# Altium PCB Spektrop2_PCB_Combined_CMV4000_V2.PcbDoc (part 2 of 6) (continued)
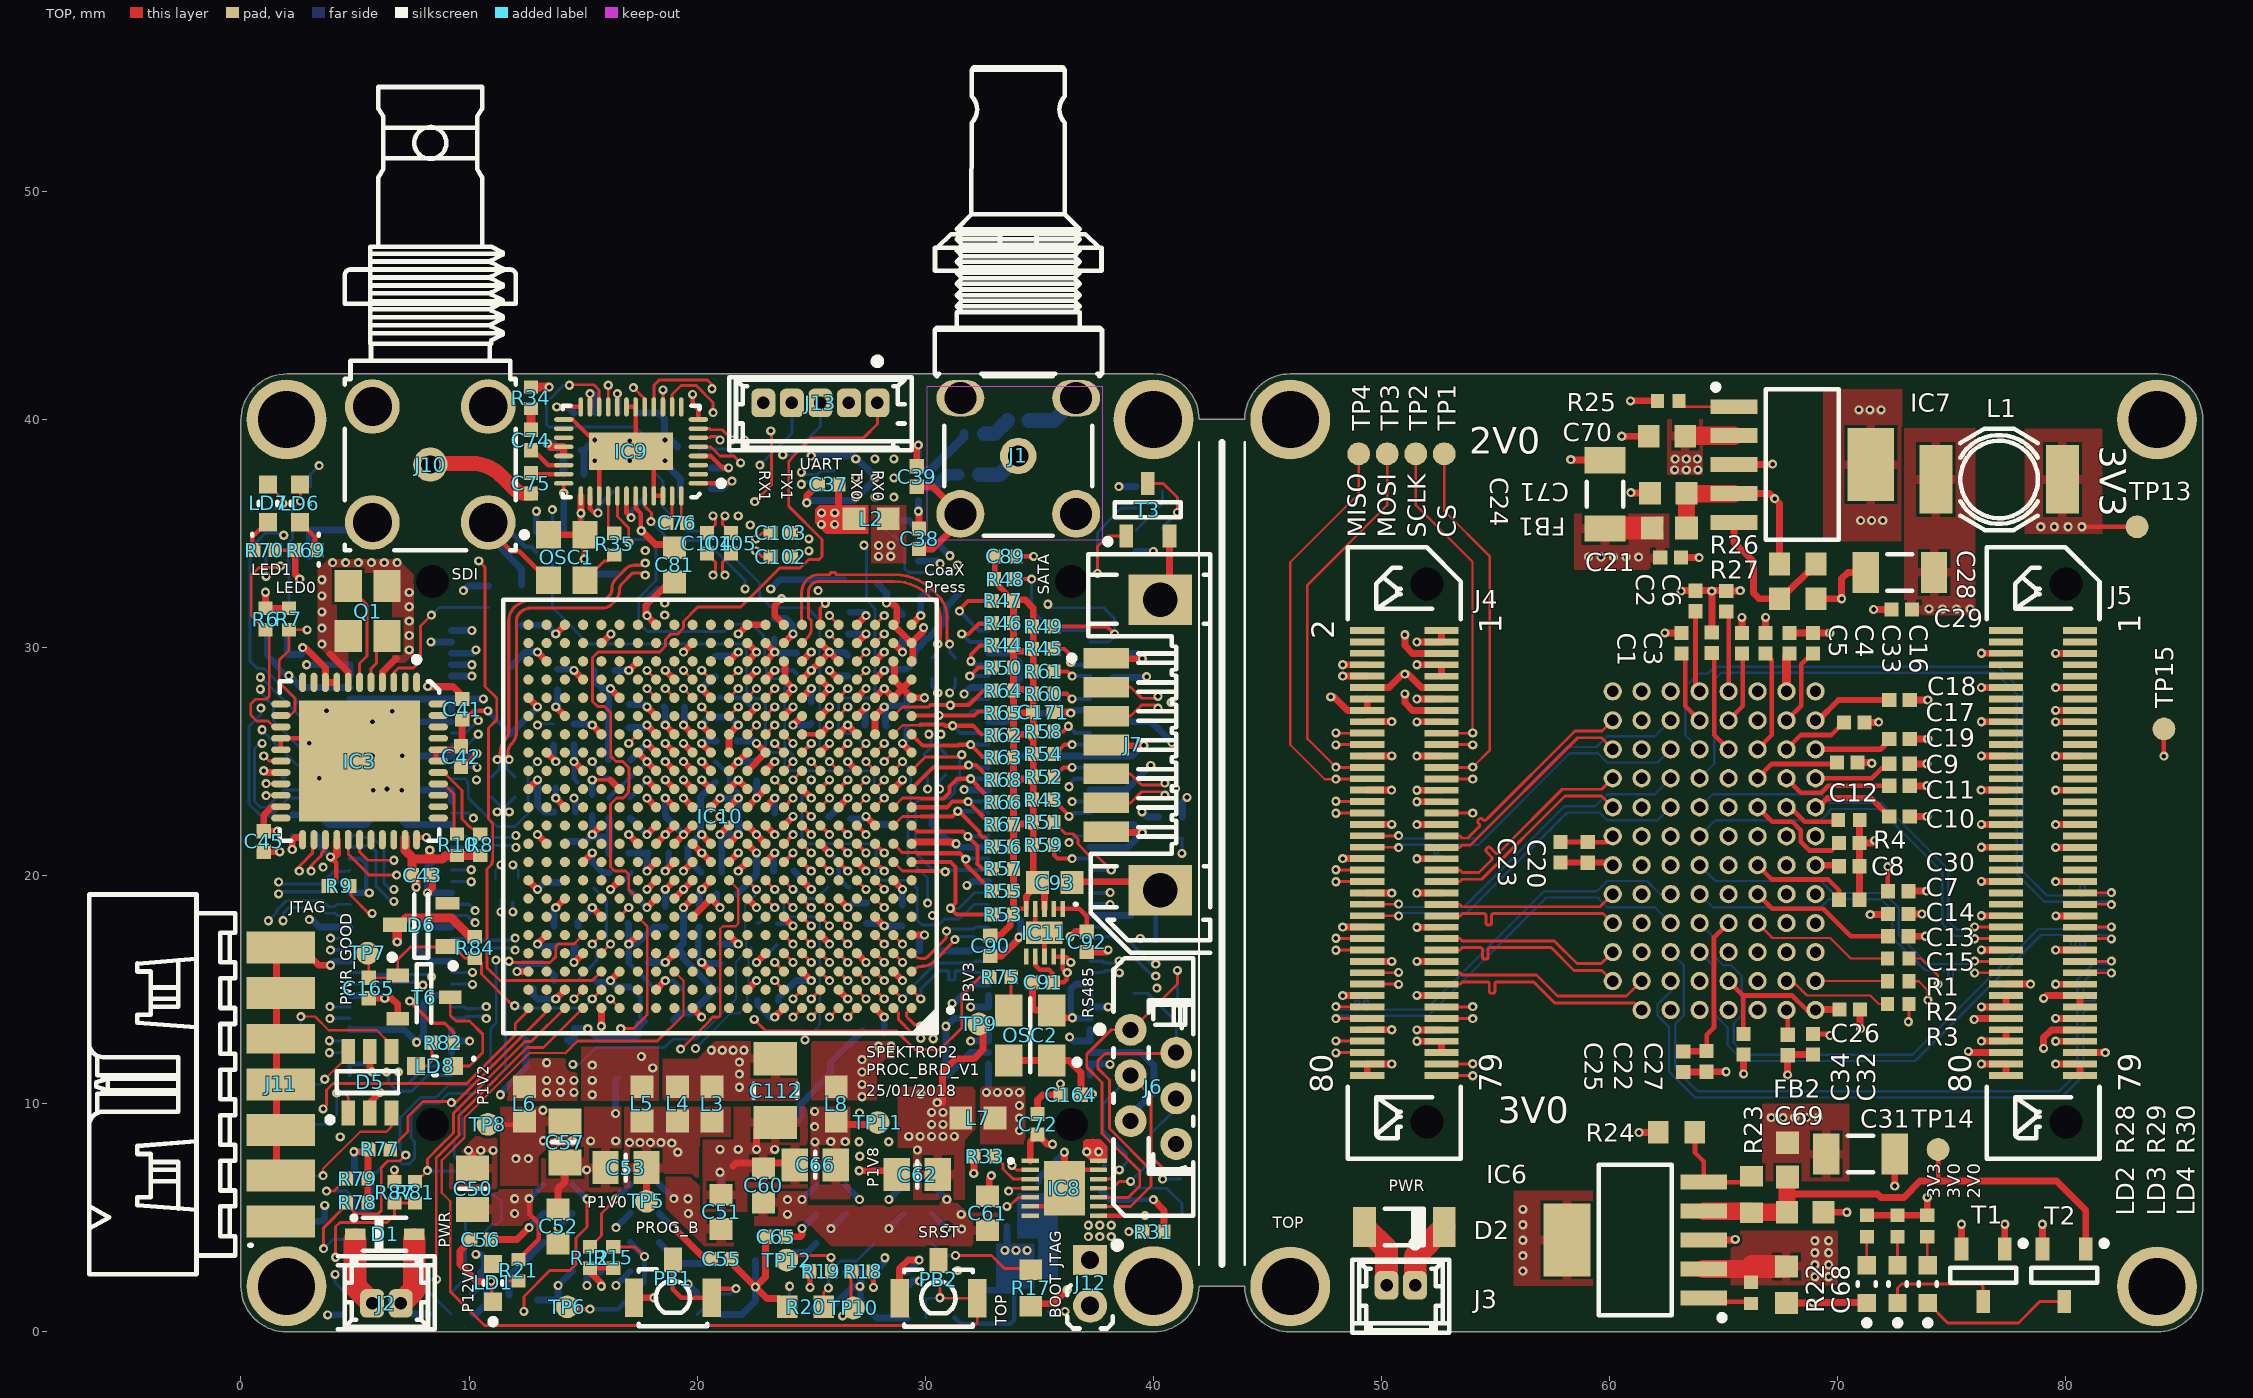
[diagram p0: TOP view]
## Part data (continued)
J4 J5: library part SAMTEC_ERM5-040-05.0-L-DV-K, "Connector 80 Male", Manufacturer=SAMTEC, Manufacturer Part Number=ERM5-040-05.0-L-DV-K, Author="CERN DEM MR", ComponentHeight=8.94mm, Component Type=Standard, CreateDate=24-Feb-16, Family="Header 80", HelpURL=\\cern.ch\dfs\Applications\Altium\Datasheets\SAMTEC_ERM5-040-05.0-L-DV-K.pdf, LatestRevisionDate=24-Feb-16, Mounted=Yes, Part Description="80 Contacts, Pitch 0.5mm, Edge Rate™ Rugged High Speed Straight Header Strip, Lead Style 5.0", Part Number=SAMTEC_ERM5-040-05.0-L-DV-K, Pin Count=80, PressFit=No, Sense=No, SMD=Yes, Socket=No, Status=None
J6: library part MOLEX_52030-0629, "Connector 6 Female", Manufacturer=MOLEX, Manufacturer Part Number=52030-0629, Author="CERN DEM JLC", ComponentHeight=6.7mm, Component Type=Standard, CreateDate=05-Nov-14, Family=FFC/FPC, HelpURL=\\cern.ch\dfs\Applications\Altium\Datasheets\MOLEX_52030-0629.pdf, LatestRevisionDate=05-Dec-14, Mounted=Yes, Part Description="6 Contacts, 1.0mm Pitch, Vertical Through-Hole FFC/FPC Connector", Part Number=MOLEX_52030-0629, Pin Count=6, PressFit=No, Sense=No, SMD=No, Socket=No, Status=None
J7: library part 3M_5607-4200-SH, "7 Pin + 1 Shield SATA Receptacle", Manufacturer=3M, Manufacturer Part Number=5607-4200-SH, Author="CERN DEM JLC", ComponentHeight=4mm, Component Type=Standard, CreateDate=14-Feb-11, Family=SATA, HelpURL=\\cern.ch\dfs\Applications\Altium\Datasheets\3M_5607-4200-SH.pdf, LatestRevisionDate=31-May-11, Mounted=Yes, Part Description="Signal Plug, Surfacemount, Right Angle,  Serial Advanced Technology Attachment (SATA) Connector, 5607 Series", Part Number=3M_5607-4200-SH, Pin Count=8, PressFit=No, Sense=No, SMD=Yes, Socket=No, Status=None
J8 J9: library part SAMTEC_ERF5-040-05.0-L-DV-K, "Connector 80 Female", Manufacturer=SAMTEC, Manufacturer Part Number=ERF5-040-05.0-L-DV-K, Author="CERN DEM MR", ComponentHeight=4.91mm, Component Type=Standard, CreateDate=10-Mar-16, Family="Socket 80", HelpURL=\\cern.ch\dfs\Applications\Altium\Datasheets\SAMTEC_ERF5-040-05.0-L-DV-K.pdf, LatestRevisionDate=10-Mar-16, Mounted=Yes, Part Description="80 Contacts, Pitch 0.5mm, Edge Rate™ Rugged High Speed Straight Socket Strip", Part Number=SAMTEC_ERF5-040-05.0-L-DV-K, Pin Count=80, PressFit=No, Sense=No, SMD=Yes, Socket=No, Status=None
J10: library part AMPHENOL_34-1030-12G, Manufacturer=AMPHENOL-RF, Manufacturer Part Number=34-1030-12G, Author="CERN DEM JLC", ComponentHeight=8.5mm, Component Type=Standard, CreateDate=21-Feb-17, Family=HD-BNC, HelpURL=\\cern.ch\dfs\Applications\Altium\Datasheets\AMPHENOL_34-1030-12G.pdf, LatestRevisionDate=21-Feb-17, Mounted=Yes, Part Description="75 Ohms HD-BNC Right Angle PCB Receptacle (Jack)", Part Number=AMPHENOL_34-1030-12G, Pin Count=2, PressFit=No, Sense=No, SMD=No, Socket=No, Status=None
J11: library part MOLEX_87831-1420_h, "Connector 14 Male", Manufacturer=MOLEX, Manufacturer Part Number=87831-1420, Author="CERN DEM JLC", ComponentHeight=3.15mm, Component Type=Standard, CreateDate=13-Apr-10, Family=Milli-Grid™, HelpURL=\\cern.ch\dfs\Applications\Altium\Datasheets\MOLEX_87831-1420.pdf, LatestRevisionDate=13-Apr-10, Mounted=Yes, Part Description="2.00mm (.079\") Pitch Milli-Grid™ Header, Vertical, Shrouded, Center Polarization Slot, Locking Window, 14 Circuits (Customized PCB Edge assembly)", Part Number=MOLEX_87831-1420_h, Pin Count=14, PressFit=No, Sense=No, SMD=No, Socket=No, Status=None
J12: library part HARWIN_M22-2510205, "Connector 2 Male", Manufacturer=HARWIN, Manufacturer Part Number=M22-2510205, Author="CERN DEM JLC", ComponentHeight=5mm, Component Type=Standard, CreateDate=21-Jan-15, Family="Header 2", HelpURL=\\cern.ch\dfs\Applications\Altium\Datasheets\HARWIN_M22-2510205.pdf, LatestRevisionDate=14-Apr-15, Mounted=Yes, Part Description="2 Contacts - Pitch 2mm - Single Row Through Mount Straight Header (Post Lead = 3.5mm, Tail Lead 2.3mm, Insulator 1.5mm)", Part Number=HARWIN_M22-2510205, Pin Count=2, PressFit=No, Sense=No, SMD=No, Socket=No, Status=None
J13: library part MOLEX_53047-0510, "Connector 5 Male", Manufacturer=MOLEX, Manufacturer Part Number=53047-0510, Author="CERN DEM JLC", ComponentHeight=4.2mm, Component Type=Standard, CreateDate=12-Mar-13, Family=PicoBlade, HelpURL=\\cern.ch\dfs\Applications\Altium\Datasheets\MOLEX_53047-0510.pdf, LatestRevisionDate=12-Mar-13, Mounted=Yes, Part Description="1.25mm Pitch PicoBlade™ Wire-to-Board 5 Circuits Vertical Header with Friction Lock", Part Number=MOLEX_53047-0510, Pin Count=5, PressFit=No, Sense=No, SMD=No, Socket=No, Status=None
L1: library part IND_2.2UH_20%_BOURNS_SDR6603, "Inductor", Manufacturer=BOURNS, Manufacturer Part Number=SDR6603-2R2M, Power=2.4A, Resistance=0.007R, Tolerance=±20%, Author="CERN DEM JMW", ComponentHeight=2.92mm, Component Type=Standard, CreateDate=09-Jul-15, HelpURL=\\cern.ch\dfs\Applications\Altium\Datasheets\IND_BOURNS_SDR6603.pdf, LatestRevisionDate=09-Jul-15, Mounted=Yes, Part Description="SMD Power Inductor", Part Number=IND_2.2UH_20%_BOURNS_SDR6603, Pin Count=2, Sense=No, SMD=Yes, Socket=No, Status=None
LD1 LD2 LD3 LD4 LD5 LD6 LD7 LD8: library part LED_KINGBRIGHT_KPH-1608CGCK, "LED Green 1C 2A", Manufacturer=KINGBRIGHT, Manufacturer Part Number=KPH-1608CGCK, Author="CERN DEM JLC", Bonding=No, Color=Green, ComponentHeight=0.65mm, Component Type=Standard, CreateDate=03-Jul-17, HelpURL=\\cern.ch\dfs\Applications\Altium\Datasheets\LED_KINGBRIGHT_KPH-1608CGCK.pdf, LatestRevisionDate=03-Jul-17, Mounted=Yes, PackageDescription="SMT Green LED, Case 0603, Body L 1.6 x W 0.8mm H 0.65mm", Part Description="SMD Green LED, Case 1.6mmX0.8mm(0603), 0.65mm Thickness", Part Number=LED_KINGBRIGHT_KPH-1608CGCK, Pin Count=2, PressFit=No, Sense=No, SMD=Yes, Socket=No
OSC1: library part OSC_27MHZ_EPSON_SG-210SEB, "Oscillator 4 pins 1=\ST 2=GND 3=OUT 4=VCC", Manufacturer="EPSON TOYOCOM", Manufacturer Part Number="SG-210SEB C 27MHZ", Author="CERN DEM JLC", Bonding=No, ComponentHeight=0.9mm, ComponentLink1Description="Ordering Informations", ComponentLink1URL=\\cern.ch\dfs\Applications\Altium\Datasheets\OSC_EPSON_SG-210_Ordering-Informations.pdf, Component Type=Standard, CreateDate=05-Oct-09, HelpURL=\\cern.ch\dfs\Applications\Altium\Datasheets\OSC_EPSON_SG-210.pdf, LatestRevisionDate=05-Oct-09, Mounted=Yes, PackageDescription="Oscillator, corner concave; 4 pin, 2.50mm L X 2.00mm W X 0.90mm H, IPC Medium Density", Part Description="1.8V Surface Mount Crystal Oscillator With Standby Function (SG-210 Series)", Part Number=OSC_27MHZ_EPSON_SG-210SEB, Pin Count=4, PressFit=No, Sense=No, SMD=Yes, Socket=No
OSC2: library part OSC_33.33333MHZ_SI-TIME_SiT1602AC-23-18E, "Oscillator 4 pins 1=OE 2=GND 3=OUT 4=VDD", Manufacturer="SI TIME", Manufacturer Part Number=SiT1602AC-23-18E-33.33333, Author="CERN DEM JLC", Bonding=No, ComponentHeight=0.8mm, Component Type=Standard, CreateDate=08-Jul-14, HelpURL=\\cern.ch\dfs\Applications\Altium\Datasheets\OSC_SI-TIME_SiT1602.pdf, LatestRevisionDate=22-Oct-14, Mounted=Yes, PackageDescription="Si Time Oscillators, 4 Pin, Pitch 2.1mm, 3.2mm x 2.5mm x0.75mm", Part Description="1.8V, ±50ppm, 15pF, -20..70°C, 3.2x2.5mm Surface Mount LVCMOS/HCMOS Low Power Frequency Oscillator (SiT1602 Series)", Part Number=OSC_33.33333MHZ_SI-TIME_SiT1602AC-23-18E, Pin Count=4, PressFit=No, Sense=No, SMD=Yes, Socket=No
PB1 PB2: library part PB_OMRON_B3U-1100P, "Push-Button Switch SPDT", Manufacturer=OMRON, Author="CERN DEM JLC", ComponentHeight=1.75mm, Component Type=Standard, CreateDate=3/16/2010, Family="Push Button", HelpURL=\\cern.ch\dfs\Applications\Altium\Datasheets\PB_OMRON_B3U-1100P.pdf, LatestRevisionDate=3/16/2010, Manufacturer Part Number=PB_OMRON_B3U-1100P, Mounted=Yes, PackageDescription="Body 1.2x3x2.5mm Ultra-Small Tactile SPST Pushbutton Switch, (with Ground Terminal), OMRON B3U Series", Part Description="3x2.5mm Ultra-Small Tactile SPST Pushbutton Switch (with Ground Terminal),Contact Rating 50mA 12VDC, B3U Series", Part Number=PB_OMRON_B3U-1100P, Pin Count=3, PressFit=No, Sense=No, SMD=Yes, Socket=No, Status=None
Q1: library part XTAL_48MHZ_TXC_7M-48.000MAHV, "Crystal 4 pins 1=XTAL Control 2=GND3=XTAL 4=GND", Manufacturer="TXC CORPORATION", Manufacturer Part Number=7M-48.000MAHV, Author="CERN DEM MR", Bonding=No, ComponentHeight=0.8mm, Component Type=Standard, CreateDate=30-May-16, HelpURL=\\cern.ch\dfs\Applications\Altium\Datasheets\XTAL_TXC_7M.pdf, LatestRevisionDate=30-May-16, Mounted=Yes, PackageDescription="4 Pins, 2.5x3.2mm, SMD Sealing Crystal, 7M Serie", Part Description="±30ppm 8pF -40°C to +85°C  4 Pins, 3.2x2.5X0.8mm, SMD Sealing Crystal, 7M Series", Part Number=XTAL_48MHZ_TXC_7M-48.000MAHV, Pin Count=4, PressFit=No, Sense=No, SMD=Yes, Socket=No
R1 R2 R3 R35 R36 R75: library part R0402_22R_1%_0.0625W_100PPM, "Resistor - 1%", Case=0402, Manufacturer=GENERIC, Manufacturer1 ComponentHeight=0.4mm, Manufacturer1 Example="YAGEO PHYCOMP", Manufacturer1 Part Number=232270672209L, Power=0.0625W, Tolerance=±1%, Author="CERN DEM JLC", Component Type=Standard, HelpURL=\\cern.ch\dfs\Applications\Altium\Datasheets\R0402_Phycomp_RC0402.pdf, Manufacturer Part Number=R0402_22R_1%_0.0625W_100PPM, Mounted=Yes, Part Description="General Purpose Thick Film Chip Resistor", Part Number=R0402_22R_1%_0.0625W_100PPM, Pin Count=2, PressFit=No, Sense=No, SMD=Yes, Socket=No, Status="Not Recommended", TC=±100ppm/°C
  R1 R2 R3 R35: CreateDate=03-Dec-07, LatestRevisionDate=17-Oct-12
  R36 R75: CreateDate=12/3/2007, LatestRevisionDate=10/17/2012
R4 R38 R91: library part R0402_0R_JUMPER, "Resistor", Case=0402, Manufacturer=GENERIC, Manufacturer1 ComponentHeight=0.4mm, Manufacturer1 Example="YAGEO PHYCOMP", Manufacturer1 Part Number=232270591001L, Author="CERN DEM JLC", Component Type=Standard, CreateDate=03-Dec-07, HelpURL=\\cern.ch\dfs\Applications\Altium\Datasheets\R0402_Phycomp_RC0402.pdf, LatestRevisionDate=17-Oct-12, Manufacturer Part Number=R0402_0R_JUMPER, Mounted=Yes, Part Description="1A (0.05R Max DC Resistance) Zero Ohm Jumper", Part Number=R0402_0R_JUMPER, Pin Count=2, PressFit=No, Sense=No, SMD=Yes, Socket=No, Status="Not Recommended"
R5 R34: library part R0402_75R_1%_0.0625W_100PPM, "Resistor - 1%", Case=0402, Manufacturer=GENERIC, Manufacturer1 ComponentHeight=0.4mm, Manufacturer1 Example="YAGEO PHYCOMP", Manufacturer1 Part Number=232270677509L, Power=0.0625W, Tolerance=±1%, Author="CERN DEM JLC", Component Type=Standard, HelpURL=\\cern.ch\dfs\Applications\Altium\Datasheets\R0402_Phycomp_RC0402.pdf, Manufacturer Part Number=R0402_75R_1%_0.0625W_100PPM, Mounted=Yes, Part Description="General Purpose Thick Film Chip Resistor", Part Number=R0402_75R_1%_0.0625W_100PPM, Pin Count=2, PressFit=No, Sense=No, SMD=Yes, Socket=No, Status="Not Recommended", TC=±100ppm/°C
  R5: CreateDate=12/3/2007, LatestRevisionDate=10/17/2012
  R34: CreateDate=03-Dec-07, LatestRevisionDate=17-Oct-12
R6 R7 R8 R9 R10 R11 R31 R33 R37 R40 R76: library part R0402_4K7_1%_0.0625W_100PPM, "Resistor - 1%", Case=0402, Manufacturer=GENERIC, Manufacturer1 ComponentHeight=0.4mm, Manufacturer1 Example="YAGEO PHYCOMP", Manufacturer1 Part Number=232270674702L, Power=0.0625W, Tolerance=±1%, Author="CERN DEM JLC", Component Type=Standard, HelpURL=\\cern.ch\dfs\Applications\Altium\Datasheets\R0402_Phycomp_RC0402.pdf, Manufacturer Part Number=R0402_4K7_1%_0.0625W_100PPM, Mounted=Yes, Part Description="General Purpose Thick Film Chip Resistor", Part Number=R0402_4K7_1%_0.0625W_100PPM, Pin Count=2, PressFit=No, Sense=No, SMD=Yes, Socket=No, Status="Not Recommended", TC=±100ppm/°C
  R6 R7 R8 R9 R10 R11 R37 R40 R76: CreateDate=12/3/2007, LatestRevisionDate=10/17/2012
  R31 R33: CreateDate=03-Dec-07, LatestRevisionDate=17-Oct-12
R12 R15 R18 R19 R22 R25 R83: library part R0402_10K_1%_0.0625W_100PPM, "Resistor - 1%", Case=0402, Manufacturer=GENERIC, Manufacturer1 ComponentHeight=0.4mm, Manufacturer1 Example="YAGEO PHYCOMP", Manufacturer1 Part Number=232270671003L, Power=0.0625W, Tolerance=±1%, Author="CERN DEM JLC", Component Type=Standard, HelpURL=\\cern.ch\dfs\Applications\Altium\Datasheets\R0402_Phycomp_RC0402.pdf, Manufacturer Part Number=R0402_10K_1%_0.0625W_100PPM, Mounted=Yes, Part Description="General Purpose Thick Film Chip Resistor", Part Number=R0402_10K_1%_0.0625W_100PPM, Pin Count=2, PressFit=No, Sense=No, SMD=Yes, Socket=No, Status="Not Recommended", TC=±100ppm/°C
  R12 R15 R18 R19 R22 R25: CreateDate=03-Dec-07, LatestRevisionDate=17-Oct-12
  R83: CreateDate=12/3/2007, LatestRevisionDate=10/17/2012
R13: library part R0603_60K4_0.1%_0.063W_10PPM, "Resistor - 0.1%", Case=0603, Manufacturer=GENERIC, Manufacturer1 ComponentHeight=0.5mm, Manufacturer1 Example="TYCO HOLSWORTHY", Manufacturer1 Part Number=RN73C1J60K4BTDF, Power=0.063W, Tolerance=±0.1%, Author="CERN DEM JLC", Component Type=Standard, CreateDate=03-Dec-07, HelpURL=\\cern.ch\dfs\Applications\Altium\Datasheets\R0603_Tyco_RN73.pdf, LatestRevisionDate=13-Mar-08, Manufacturer Part Number=R0603_60K4_0.1%_0.063W_10PPM, Mounted=Yes, Part Description="Thin Film Chip Resistor", Part Number=R0603_60K4_0.1%_0.063W_10PPM, Pin Count=2, PressFit=No, Sense=No, SMD=Yes, Socket=No, Status="Not Recommended", TC=±10ppm
R14: library part R0603_90K9_0.1%_0.063W_10PPM, "Resistor - 0.1%", Case=0603, Manufacturer=GENERIC, Manufacturer1 ComponentHeight=0.5mm, Manufacturer1 Example="TYCO HOLSWORTHY", Manufacturer1 Part Number=RN73C1J90K9BTDF, Power=0.063W, Tolerance=±0.1%, Author="CERN DEM JLC", Component Type=Standard, CreateDate=03-Dec-07, HelpURL=\\cern.ch\dfs\Applications\Altium\Datasheets\R0603_Tyco_RN73.pdf, LatestRevisionDate=13-Mar-08, Manufacturer Part Number=R0603_90K9_0.1%_0.063W_10PPM, Mounted=Yes, Part Description="Thin Film Chip Resistor", Part Number=R0603_90K9_0.1%_0.063W_10PPM, Pin Count=2, PressFit=No, Sense=No, SMD=Yes, Socket=No, Status="Not Recommended", TC=±10ppm
R16: library part R0603_30K1_0.1%_0.063W_10PPM, "Resistor - 0.1%", Case=0603, Manufacturer=GENERIC, Manufacturer1 ComponentHeight=0.5mm, Manufacturer1 Example="TYCO HOLSWORTHY", Manufacturer1 Part Number=RN73C1J30K1BTDF, Power=0.063W, Tolerance=±0.1%, Author="CERN DEM JLC", Component Type=Standard, CreateDate=03-Dec-07, HelpURL=\\cern.ch\dfs\Applications\Altium\Datasheets\R0603_Tyco_RN73.pdf, LatestRevisionDate=13-Mar-08, Manufacturer Part Number=R0603_30K1_0.1%_0.063W_10PPM, Mounted=Yes, Part Description="Thin Film Chip Resistor", Part Number=R0603_30K1_0.1%_0.063W_10PPM, Pin Count=2, PressFit=No, Sense=No, SMD=Yes, Socket=No, Status="Not Recommended", TC=±10ppm
R17: library part R0603_13K3_0.1%_0.063W_10PPM, "Resistor - 0.1%", Case=0603, Manufacturer=GENERIC, Manufacturer1 ComponentHeight=0.5mm, Manufacturer1 Example="TYCO HOLSWORTHY", Manufacturer1 Part Number=RN73C1J13K3BTDF, Power=0.063W, Tolerance=±0.1%, Author="CERN DEM JLC", Component Type=Standard, CreateDate=03-Dec-07, HelpURL=\\cern.ch\dfs\Applications\Altium\Datasheets\R0603_Tyco_RN73.pdf, LatestRevisionDate=13-Mar-08, Manufacturer Part Number=R0603_13K3_0.1%_0.063W_10PPM, Mounted=Yes, Part Description="Thin Film Chip Resistor", Part Number=R0603_13K3_0.1%_0.063W_10PPM, Pin Count=2, PressFit=No, Sense=No, SMD=Yes, Socket=No, Status="Not Recommended", TC=±10ppm
R20: library part R0603_324K_1%_0.1W_100PPM, "Resistor - 1%", Case=0603, Manufacturer=GENERIC, Manufacturer1 ComponentHeight=0.55mm, Manufacturer1 Example=VISHAY, Manufacturer1 Part Number=CRCW0603324KFKEA, Power=0.1W, Tolerance=±1%, Author="CERN DEM JLC", Component Type=Standard, CreateDate=29-Apr-10, HelpURL="\\cern.ch\dfs\Applications\Altium\Datasheets\R0603_VISHAY_CRCW e3.pdf", LatestRevisionDate=11-Dec-13, Manufacturer Part Number=R0603_324K_1%_0.1W_100PPM, Mounted=Yes, Part Description="General Purpose Thick Film Chip Resistor", Part Number=R0603_324K_1%_0.1W_100PPM, Pin Count=2, PressFit=No, Sense=No, SMD=Yes, Socket=No, Status=Preferred, TC=±100ppm/°C
R21 R29 R30: library part R0402_10k_1%_0.0625W_100PPM, "Resistor - 1%", Case=0402, Manufacturer=GENERIC, Manufacturer1 ComponentHeight=0.4mm, Manufacturer1 Example="YAGEO PHYCOMP", Manufacturer1 Part Number=232270671003L, Manufacturer Part Number=R0402_10K_1%_0.0625W_100PPM, Power=0.0625W, Tolerance=±1%, Author="CERN DEM JLC", Component Type=Standard, CreateDate=03.12.2007, HelpURL=\\cern.ch\dfs\Applications\Altium\Datasheets\R0402_Phycomp_RC0402.pdf, LatestRevisionDate=17.10.2012, Mounted=Yes, Part Description="General Purpose Thick Film Chip Resistor", Part Number=R0402_10K_1%_0.0625W_100PPM, Pin Count=2, PressFit=No, Sense=No, SMD=Yes, Socket=No, Status="Not Recommended", TC=±100ppm/°C
R23: library part R0603_4K3_1%_0.1W_100PPM, "Resistor - 1%", Case=0603, Manufacturer=GENERIC, Manufacturer1 ComponentHeight=0.55mm, Manufacturer1 Example="NIC COMPONENT", Manufacturer1 Part Number=NRC06F4301TRF, Power=0.1W, Tolerance=±1%, Author="CERN DEM JLC", Component Type=Standard, CreateDate=03-Dec-07, HelpURL=\\cern.ch\dfs\Applications\Altium\Datasheets\R0603_NIC_NRC.pdf, LatestRevisionDate=13-Mar-08, Manufacturer Part Number=R0603_4K3_1%_0.1W_100PPM, Mounted=Yes, Part Description="General Purpose Thick Film Chip Resistor", Part Number=R0603_4K3_1%_0.1W_100PPM, Pin Count=2, PressFit=No, Sense=No, SMD=Yes, Socket=No, Status=Preferred, TC=±100ppm/°C
R24: library part R0603_680R_1%_0.1W_100PPM, "Resistor - 1%", Case=0603, Manufacturer=GENERIC, Manufacturer1 ComponentHeight=0.55mm, Manufacturer1 Example="NIC COMPONENT", Manufacturer1 Part Number=NRC06F6800TRF, Power=0.1W, Tolerance=±1%, Author="CERN DEM JLC", Component Type=Standard, CreateDate=03-Dec-07, HelpURL=\\cern.ch\dfs\Applications\Altium\Datasheets\R0603_NIC_NRC.pdf, LatestRevisionDate=13-Mar-08, Manufacturer Part Number=R0603_680R_1%_0.1W_100PPM, Mounted=Yes, Part Description="General Purpose Thick Film Chip Resistor", Part Number=R0603_680R_1%_0.1W_100PPM, Pin Count=2, PressFit=No, Sense=No, SMD=Yes, Socket=No, Status=Preferred, TC=±100ppm/°C
R26: library part R0603_6K2_1%_0.1W_100PPM, "Resistor - 1%", Case=0603, Manufacturer=GENERIC, Manufacturer1 ComponentHeight=0.55mm, Manufacturer1 Example="NIC COMPONENT", Manufacturer1 Part Number=NRC06F6201TRF, Power=0.1W, Tolerance=±1%, Author="CERN DEM JLC", Component Type=Standard, CreateDate=03-Dec-07, HelpURL=\\cern.ch\dfs\Applications\Altium\Datasheets\R0603_NIC_NRC.pdf, LatestRevisionDate=13-Mar-08, Manufacturer Part Number=R0603_6K2_1%_0.1W_100PPM, Mounted=Yes, Part Description="General Purpose Thick Film Chip Resistor", Part Number=R0603_6K2_1%_0.1W_100PPM, Pin Count=2, PressFit=No, Sense=No, SMD=Yes, Socket=No, Status=Preferred, TC=±100ppm/°C
R27: library part R0603_1K6_1%_0.1W_100PPM, "Resistor - 1%", Case=0603, Manufacturer=GENERIC, Manufacturer1 ComponentHeight=0.55mm, Manufacturer1 Example="NIC COMPONENT", Manufacturer1 Part Number=NRC06F1601TRF, Power=0.1W, Tolerance=±1%, Author="CERN DEM JLC", Component Type=Standard, CreateDate=03-Dec-07, HelpURL=\\cern.ch\dfs\Applications\Altium\Datasheets\R0603_NIC_NRC.pdf, LatestRevisionDate=13-Mar-08, Manufacturer Part Number=R0603_1K6_1%_0.1W_100PPM, Mounted=Yes, Part Description="General Purpose Thick Film Chip Resistor", Part Number=R0603_1K6_1%_0.1W_100PPM, Pin Count=2, PressFit=No, Sense=No, SMD=Yes, Socket=No, Status=Preferred, TC=±100ppm/°C
R28 R39 R69 R70 R82: library part R0402_1k_1%_0.0625W_100PPM, "Resistor - 1%", Case=0402, Manufacturer=GENERIC, Manufacturer1 ComponentHeight=0.4mm, Manufacturer1 Example="YAGEO PHYCOMP", Manufacturer1 Part Number=232270671002L, Manufacturer Part Number=R0402_1K_1%_0.0625W_100PPM, Power=0.0625W, Tolerance=±1%, Author="CERN DEM JLC", Component Type=Standard, CreateDate=03.12.2007, HelpURL=\\cern.ch\dfs\Applications\Altium\Datasheets\R0402_Phycomp_RC0402.pdf, LatestRevisionDate=17.10.2012, Mounted=Yes, Part Description="General Purpose Thick Film Chip Resistor", Part Number=R0402_1K_1%_0.0625W_100PPM, Pin Count=2, PressFit=No, Sense=No, SMD=Yes, Socket=No, Status="Not Recommended", TC=±100ppm/°C
  R39: ClassName=Artix
R32 R42 R71 R74: library part R0402_100R_1%_0.0625W_100PPM, "Resistor - 1%", Case=0402, Manufacturer=GENERIC, Manufacturer1 ComponentHeight=0.4mm, Manufacturer1 Example="YAGEO PHYCOMP", Manufacturer1 Part Number=232270671001L, Power=0.0625W, Tolerance=±1%, Author="CERN DEM JLC", Component Type=Standard, CreateDate=03-Dec-07, HelpURL=\\cern.ch\dfs\Applications\Altium\Datasheets\R0402_Phycomp_RC0402.pdf, LatestRevisionDate=17-Oct-12, Manufacturer Part Number=R0402_100R_1%_0.0625W_100PPM, Mounted=Yes, Part Description="General Purpose Thick Film Chip Resistor", Part Number=R0402_100R_1%_0.0625W_100PPM, Pin Count=2, PressFit=No, Sense=No, SMD=Yes, Socket=No, Status="Not Recommended", TC=±100ppm/°C
R41: library part R0402_330R_1%_0.0625W_100PPM, "Resistor - 1%", Case=0402, Manufacturer=GENERIC, Manufacturer1 ComponentHeight=0.4mm, Manufacturer1 Example="YAGEO PHYCOMP", Manufacturer1 Part Number=232270673301L, Power=0.0625W, Tolerance=±1%, Author="CERN DEM JLC", Component Type=Standard, CreateDate=03-Dec-07, HelpURL=\\cern.ch\dfs\Applications\Altium\Datasheets\R0402_Phycomp_RC0402.pdf, LatestRevisionDate=17-Oct-12, Manufacturer Part Number=R0402_330R_1%_0.0625W_100PPM, Mounted=Yes, Part Description="General Purpose Thick Film Chip Resistor", Part Number=R0402_330R_1%_0.0625W_100PPM, Pin Count=2, PressFit=No, Sense=No, SMD=Yes, Socket=No, Status="Not Recommended", TC=±100ppm/°C
R43 R44 R45 R46 R47 R48 R49 R50 R51 R52 R53 R54 R55 R56 R57 R58 R59 R60 R61 R62 R63 R64 R65 R66 R67 R68: library part R0402_49R9_1%_0.0625W_100PPM, "Resistor - 1%", Case=0402, Manufacturer=GENERIC, Manufacturer1 ComponentHeight=0.4mm, Manufacturer1 Example="YAGEO PHYCOMP", Manufacturer1 Part Number="232270674999L or RC0402FR-0749R9L", Power=0.0625W, Tolerance=±1%, Author="CERN DEM JLC", Component Type=Standard, CreateDate=24-Oct-12, HelpURL=\\cern.ch\dfs\Applications\Altium\Datasheets\R0402_Phycomp_RC0402.pdf, LatestRevisionDate=24-Oct-12, Manufacturer Part Number=R0402_49R9_1%_0.0625W_100PPM, Mounted=Yes, Part Description="General Purpose Thick Film Chip Resistor", Part Number=R0402_49R9_1%_0.0625W_100PPM, Pin Count=2, PressFit=No, Sense=No, SMD=Yes, Socket=No, Status="Not Recommended", TC=±100ppm/°C
R72 R88 R89: library part R0402_NO-VALUE, "Resistor", Case=0402, Author="CERN DEM JLC", Component Type=Standard, CreateDate=03-Dec-07, HelpURL=Undefined, LatestRevisionDate=13-Mar-08, Manufacturer=Undefined, Manufacturer1 ComponentHeight=Undefined, Manufacturer1 Example=Undefined, Manufacturer1 Part Number=Undefined, Manufacturer Part Number=R0402_NO-VALUE, Mounted=No, Part Description="Reserved Footprint For a 0402 (1005) Chip Resistor", Part Number=R0402_NO-VALUE, Pin Count=2, PressFit=No, Sense=No, SMD=Yes, Socket=No, Status=None
R73 R87: library part R0402_1K_1%_0.0625W_100PPM, "Resistor - 1%", Case=0402, Manufacturer=GENERIC, Manufacturer1 ComponentHeight=0.4mm, Manufacturer1 Example="YAGEO PHYCOMP", Manufacturer1 Part Number=232270671002L, Power=0.0625W, Tolerance=±1%, Author="CERN DEM JLC", Component Type=Standard, CreateDate=03-Dec-07, HelpURL=\\cern.ch\dfs\Applications\Altium\Datasheets\R0402_Phycomp_RC0402.pdf, LatestRevisionDate=17-Oct-12, Manufacturer Part Number=R0402_1K_1%_0.0625W_100PPM, Mounted=Yes, Part Description="General Purpose Thick Film Chip Resistor", Part Number=R0402_1K_1%_0.0625W_100PPM, Pin Count=2, PressFit=No, Sense=No, SMD=Yes, Socket=No, Status="Not Recommended", TC=±100ppm/°C
R77 R78 R79 R80 R81 R84 R85 R86: library part R0402_20K_1%_0.0625W_100PPM, "Resistor - 1%", Case=0402, Manufacturer=GENERIC, Manufacturer1 ComponentHeight=0.4mm, Manufacturer1 Example="YAGEO PHYCOMP", Manufacturer1 Part Number=232270672003L, Power=0.0625W, Tolerance=±1%, Author="CERN DEM JLC", Component Type=Standard, HelpURL=\\cern.ch\dfs\Applications\Altium\Datasheets\R0402_Phycomp_RC0402.pdf, Manufacturer Part Number=R0402_20K_1%_0.0625W_100PPM, Mounted=Yes, Part Description="General Purpose Thick Film Chip Resistor", Part Number=R0402_20K_1%_0.0625W_100PPM, Pin Count=2, PressFit=No, Sense=No, SMD=Yes, Socket=No, Status="Not Recommended", TC=±100ppm/°C
  R77 R78 R79 R80 R81 R85 R86: CreateDate=12/3/2007, LatestRevisionDate=10/17/2012
  R84: CreateDate=03-Dec-07, LatestRevisionDate=17-Oct-12
R90: library part R0402_22r_1%_0.0625W_100PPM, "Resistor - 1%", Case=0402, Manufacturer=GENERIC, Manufacturer1 ComponentHeight=0.4mm, Manufacturer1 Example="YAGEO PHYCOMP", Manufacturer1 Part Number=232270672209L, Manufacturer Part Number=R0402_22R_1%_0.0625W_100PPM, Power=0.0625W, Tolerance=±1%, Author="CERN DEM JLC", Component Type=Standard, CreateDate=03-Dec-07, HelpURL=\\cern.ch\dfs\Applications\Altium\Datasheets\R0402_Phycomp_RC0402.pdf, LatestRevisionDate=17-Oct-12, Mounted=Yes, Part Description="General Purpose Thick Film Chip Resistor", Part Number=R0402_22R_1%_0.0625W_100PPM, Pin Count=2, PressFit=No, Sense=No, SMD=Yes, Socket=No, Status="Not Recommended", TC=±100ppm/°C
T1 T2 T3 T4 T5 T6: "N-CHANNEL MOSFET WITH DIODE", Case=SOT23-3, Manufacturer=NEXPERIA, Author="CERN DEM JLC", Bonding=No, ComponentHeight=1.1mm, Component Type=Standard, CreateDate=16.03.2010, Device=BSH103, HelpURL=\\cern.ch\dfs\Applications\Altium\Datasheets\BSH103.pdf, LatestRevisionDate=20.06.2017, Manufacturer Part Number=BSH103, Mounted=Yes, PackageDescription="SOT23, 3 pin, Pitch 0.95mm - 1.3mm W X 2.9mm L X 1.1mm H, IPC Medium Density", Part Description="30V 850mA N-Channel Enhancement Mode Field-Effect Transistor", Part Number=BSH103, Pin Count=3, PressFit=No, Sense=No, SMD=Yes, Socket=No
  T3: ClassName=Artix
TP1 TP2 TP3 TP4 TP5 TP6 TP7 TP8 TP9 TP10 TP11 TP12 TP13 TP14 TP15 TP16: library part SMD_PAD_D1MM, "Through Hole Pad", Author="CERN DEM JLC", ComponentHeight=0mm, Component Type="Standard (No BOM)", CreateDate=10-Oct-17, Family="SMD Pad", HelpURL=Undefined, LatestRevisionDate=10-Oct-17, Mounted=No, PackageDescription="1mm Diameter SMD Pad", Part Description="1mm Diameter SMD Pad", Part Number=SMD_PAD_D1MM, Pin Count=1, Sense=No, SMD=No, Socket=No, Status=None

## Free pads (board coordinates)
  round 3.5 hole 2.5: 1(2,2) 1(2,40) 1(40,2) 1(40,40) 1(46,1.996) 1(46,39.996) 1(84,1.996) 1(84,39.996)

## Via types
v1: diameter 0.4, hole 0.2, TOP to BTM, tented both sides, 941 vias
v2: diameter 0.4, hole 0.2, TOP to BTM, 7 vias

## Nets (pads, with @x,y where several pads share a name; then routed paths per layer and width w, separated by ;. In a path a pad name is that pad's centre, name@x,y a point inside that pad or via, vN(x,y) a via of type N, cw(c..) or ccw(c..) an arc to the next point about the centre after c; other vN are vias at no path point)
BANK34_VRN: IC10.H8 R42.1 | length 2.5
  TOP w0.125: IC10.H8@23.798,19.799 v1(24.198,19.399)
  BTM w0.125: v1(24.198,19.399) 24.301,19.399 24.7,19 25.23,19 R42.1@25.73,19.5
BANK34_VRP: IC10.R8 R71.2 | length 11.3
  TOP w0.125: v1(23.399,25.8) IC10.R8@23.799,25.4
  L5 w0.125: v1(14.598,23.399) 14.999,23.8 22,23.8 23.037,24.837 23.037,25.437 v1(23.399,25.8)
  BTM w0.3: v1(14.598,23.399) 14.67,23.327 R71.2@14.67,22.8
CFGBVS: IC10.T9 R38.2 | length 10.6
  TOP w0.125: IC10.T9@22.999,26.2 v1(23.399,26.6)
  L5 w0.1: v1(15.399,25) 15.799,24.6 20.6,24.6 22.2,26.2 23,26.2 v1(23.399,26.6)
  BTM w0.125: v1(15.399,25) 15.399,24.931 R38.2@16.03,24.3 R38.2@16.13,24.3
CLK_IN: IC1.E1 J4.27 | length 21.6
  TOP w0.125: J4.27@52.626,24.246 53.987,24.246 v1(53.999,24.233)
  L2 w0.1: v1(53.999,24.233) 54.588,24.233 54.6,24.221 54.95,24.221 57.3,21.871 57.3,15.846 60.575,12.571 62.25,12.571
  L2 w0.125: 62.25,12.571 63.675,12.571 IC1.E1@65.215,14.111
CLK_MGT0_C_N: C95.2 IC10.V9 | length 26.2
  TOP w0.14: v1(11.758,25.089) 11.7,25.147 11.7,25.385 cw(c12.265,25.385) 11.865,25.785 ccw(c11.359,26.291) 12.075,26.291 12.075,31.163 cw(c12.587,31.163) 12.225,31.525 cw(c12.732,31.018) 12.732,31.735 15.844,31.735 ccw(c15.844,32.331) 16.265,31.91 16.366,32.01 ccw(c15.801,32.575) 16.6,32.575 cw(c16.902,32.575) 16.688,32.788 17.132,33.232 cw(c17.225,33.139) 17.225,33.271 17.632,33.271 v1(17.725,33.178) ; IC10.V9@22.999,27.8 v1(23.399,28.2)
  L2 w0.1: v1(17.725,33.178) 17.828,33.281 18.404,33.281 cw(c18.404,30.588) 20.308,32.492 20.528,32.272 ccw(c21.475,33.22) 21.475,31.88 cw(c21.475,30.866) 22.192,31.583 22.263,31.512 cw(c22.312,31.463) 22.361,31.513 ; 22.243,31.209 ccw(c22.292,31.16) 22.243,31.111 22.285,31.068 ccw(c22.335,31.118) 22.384,31.068 22.546,31.229 ; 22.243,31.21 22.404,31.371 ; 22.362,31.512 22.404,31.47 cw(c22.355,31.42) 22.404,31.371 ; 22.546,31.23 cw(c22.595,31.18) 22.644,31.23 22.687,31.187 cw(c22.637,31.138) 22.687,31.088 22.404,30.805 ccw(c22.454,30.756) 22.404,30.707 22.447,30.664 ccw(c22.496,30.714) 22.546,30.664 22.828,30.947 ; 22.829,30.947 cw(c22.878,30.897) 22.927,30.947 ; 22.927,30.947 22.97,30.904 cw(c22.92,30.855) 22.97,30.805 22.713,30.548 ccw(c22.762,30.499) 22.713,30.449 22.755,30.407 ccw(c22.805,30.456) 22.854,30.407 23.062,30.614 cw(c23.111,30.565) 23.161,30.614 23.775,30 cw(c23.594,29.819) 23.85,29.819 23.85,29.025 cw(c23.548,29.025) 23.762,28.812 23.399,28.449 v1(23.399,28.2)
  BTM w0.14: v1(11.758,25.089) 11.667,24.999 11.667,24.668 C95.2@12,24.336
CLK_MGT0_C_P: C94.2 IC10.U9 | length 25.7
  TOP w0.14: v1(11.233,25.089) 11.36,25.216 11.36,25.385 cw(c12.265,25.385) 11.625,26.025 ccw(c11.359,26.291) 11.735,26.291 11.735,31.163 cw(c12.587,31.163) 11.985,31.765 cw(c12.732,31.018) 12.732,32.075 15.844,32.075 ccw(c15.844,32.331) 16.025,32.15 16.126,32.251 ; 16.126,32.251 ccw(c15.801,32.575) 16.26,32.575 cw(c16.902,32.575) 16.448,33.029 16.892,33.473 cw(c17.225,33.139) 17.225,33.611 17.632,33.611 v1(17.725,33.703) ; IC10.U9@22.999,27 v1(23.399,27.4)
  L2 w0.1: v1(17.725,33.703) 17.827,33.601 18.404,33.601 cw(c18.404,30.588) 20.534,32.718 20.754,32.499 ccw(c21.475,33.22) 21.475,32.2 cw(c21.475,30.866) 22.418,31.809 24.001,30.226 cw(c23.594,29.819) 24.17,29.819 24.17,29.025 cw(c23.548,29.025) 23.988,28.585 23.774,28.372 23.774,28.044 23.399,27.669 v1(23.399,27.4)
  BTM w0.14: C94.2@10.995,24.336 11.327,24.668 11.327,24.994 v1(11.233,25.089)
CLK_MGT0_N: C95.1 IC3.19 | length 12.5
  TOP w0.125: v1(1.1,24.037) v1@1.113,24.025
  TOP w0.14: v1(1.1,24.037) ccw(c1.13,24.068) 1.13,24.025 IC3.19@1.75,24.025
  L5 w0.1: v1(1.1,24.037) ccw(c1.372,24.309) 1.372,23.925 4.386,23.925 cw(c4.386,22.686) 5.262,23.562 ccw(c6.076,24.376) 6.076,23.225 11.34,23.225 11.76,22.805 v1(11.76,22.8)
  BTM w0.14: v1(11.76,22.8) 11.667,22.892 11.667,23.104 C95.1@12,23.436
CLK_MGT0_P: C94.1 IC3.20 | length 11.9
  TOP w0.125: v1(1.1,23.512) v1@1.113,23.525
  TOP w0.14: v1(1.1,23.512) cw(c1.13,23.482) 1.13,23.525 IC3.20@1.75,23.525
  L5 w0.1: v1(1.1,23.512) cw(c1.372,23.241) 1.372,23.625 4.386,23.625 cw(c4.386,22.686) 5.05,23.35 ccw(c6.076,24.376) 6.076,22.925 11.11,22.925 v1(11.235,22.8)
  BTM w0.14: C94.1@10.995,23.436 11.327,23.104 11.327,22.893 v1(11.235,22.8)
CLK_MGT1_C_N: C97.2 IC10.V5 | length 36
  TOP w0.14: IC10.V5@26.199,27.8 v1(26.599,28.2)
  L2 w0.1: v2(11.918,20.475) 12.8,20.475 14.214,21.889 cw(c15.75,20.352) 15.75,22.525 18.95,22.525 ccw(c18.95,24.032) 20.016,22.966 20.537,23.488 ccw(c19.118,24.907) 21.125,24.907 21.125,29.7 ccw(c19.376,29.7) 20.613,30.936 20.197,31.352 ccw(c19.025,30.18) 19.025,31.838 18.847,31.838 cw(c18.847,32.222) v1(18.575,31.95)
  L5 w0.1: v1(18.575,31.95) ccw(c18.847,32.222) 18.847,31.838 19.175,31.838 19.339,32.002 ccw(c18.891,32.45) 19.525,32.45 19.525,32.553 cw(c21.447,32.553) 20.088,33.912 cw(c20.904,33.096) 20.904,34.25 21.13,34.25 cw(c21.13,32.755) 22.187,33.812 ccw(c23.061,34.686) 23.061,33.45 23.43,33.45 ccw(c23.43,33.52) 23.5,33.52 23.5,33.791 cw(c23.57,33.791) 23.57,33.861 23.63,33.861 cw(c23.63,33.791) 23.7,33.791 23.7,33.52 ccw(c23.77,33.52) 23.77,33.45 24.572,33.45 cw(c24.572,31.272) 26.112,32.812 cw(c25.055,31.755) 26.55,31.755 26.55,28.249 v1(26.599,28.2)
  BTM w0.1: v2(11.918,20.475) 12.158,20.236 C97.2@12.158,19.876
CLK_MGT1_C_P: C96.2 IC10.U5 | length 35.6
  TOP w0.14: IC10.U5@26.199,27 v1(26.599,27.4)
  L2 w0.1: v2(11.393,20.475) 11.393,20.668 11.575,20.85 12.751,20.85 14.001,22.101 cw(c15.75,20.352) 15.75,22.825 18.95,22.825 ccw(c18.95,24.032) 19.803,23.178 20.325,23.7 ccw(c19.118,24.907) 20.825,24.907 20.825,29.7 ccw(c19.376,29.7) 20.401,30.724 19.985,31.14 ccw(c19.025,30.18) 19.025,31.538 18.847,31.538 ccw(c18.847,31.153) v1(18.575,31.425)
  L5 w0.1: v1(18.575,31.425) cw(c18.847,31.153) 18.847,31.538 19.175,31.538 ccw(c19.175,31.837) 19.387,31.625 19.552,31.79 ccw(c18.891,32.45) 19.825,32.45 19.825,32.553 cw(c21.447,32.553) 20.3,33.7 cw(c20.904,33.096) 20.904,33.95 21.13,33.95 cw(c21.13,32.755) 21.975,33.6 ccw(c23.061,34.686) 23.061,33.15 24.572,33.15 cw(c24.572,31.272) 25.9,32.6 cw(c25.055,31.755) 26.25,31.755 26.25,28.381 26.224,28.355 26.224,28.044 26.25,28.018 26.25,27.749 v1(26.599,27.4)
  BTM w0.1: C96.2@11.153,19.876 11.153,20.236 v2(11.393,20.475)
CLK_MGT1_N: C97.1 IC3.24 | length 13.9
  TOP w0.14: v1(2.552,20.2) 2.552,20.402 3.13,20.98 3.13,21.505 IC3.24@3.2,21.575
  L5 w0.1: v1(2.552,20.2) ccw(c2.281,20.472) 2.665,20.472 2.665,20.925 cw(c3.544,20.925) 2.922,21.547 3.063,21.687 cw(c3.758,20.992) 3.758,21.975 5.51,21.975 cw(c5.51,18.983) 7.626,21.099 ; 7.626,21.099 9.053,19.672 ccw(c9.95,20.569) 9.95,19.3 10.657,19.3 cw(c10.657,18.232) 11.412,18.987 11.918,18.481 v1(11.918,18.412)
  BTM w0.14: v1(11.918,18.412) C97.1@11.918,18.825
CLK_MGT1_P: C96.1 IC3.25 | length 13
  TOP w0.14: v1(3.077,20.2) 3.077,20.447 3.53,20.899 3.53,20.989 3.63,21.089 3.63,21.505 IC3.25@3.7,21.575
  L5 w0.1: v1(3.077,20.2) cw(c3.349,20.472) 2.965,20.472 2.965,20.925 cw(c3.544,20.925) 3.135,21.335 3.275,21.475 cw(c3.758,20.992) 3.758,21.675 5.51,21.675 cw(c5.51,18.983) 7.414,20.886 8.84,19.46 ccw(c9.95,20.569) 9.95,19 10.657,19 cw(c10.657,18.232) 11.2,18.775 11.393,18.582 v1(11.393,18.412)
  BTM w0.14: v1(11.393,18.412) 11.393,18.976 C96.1@11.393,18.987
COAXPRESS_UPLINK: IC2.14 IC10.R3 | length 17.8
  TOP w0.125: IC10.R3@27.799,25.4 v1(28.199,25.8)
  L2 w0.1: v1(28.199,25.8) 28.7,26.3 29.2,26.3 29.8,25.7 30.9,25.7 32.375,27.175 32.375,31.255 31.425,32.205 v1(31.425,33.625)
  BTM w0.125: IC2.14@28.175,35.575 28.175,35.25 28.533,34.892 28.654,34.892 29.096,34.45 29.1,34.45 29.1,33.45 29.262,33.288 31.088,33.288 v1(31.425,33.625)
DONE: IC10.T10 R41.1 T3.1 | length 28.6
  TOP w0.125: IC10.T10@22.199,26.2 v1(22.599,26.6) ; v1(37.55,33.25) 37.55,34.425 38.022,34.897 T3.1@38.803,34.897
  L5 w0.1: v1(22.599,26.6) 22.949,26.95 26.75,26.95 27,27.2 27,32.75 27.5,33.25 34.38,33.25 34.68,33.55 35.45,33.55 35.775,33.875 36.925,33.875 v1(37.55,33.25)
  BTM w0.125: v1(37.55,33.25) 37.55,35.045 37.853,35.347 37.853,35.378 38.592,36.117 R41.1@39.242,36.117
FPGA_BANK13_IO0: IC10.T16 J8.33 | length 10.2
  TOP w0.125: v1(16.999,25.8) IC10.T16@17.399,26.2
  L2 w0.1: v1(10.191,22.524) 11.416,23.75 15.731,23.75 16.999,25.018 v1(16.999,25.8)
  BTM w0.125: J8.33@9.225,22.75 9.965,22.75 v1(10.191,22.524)